# Altium PCB pcb-4layer-1oz-1.6mm.PcbDoc (part 4 of 4) (continued)
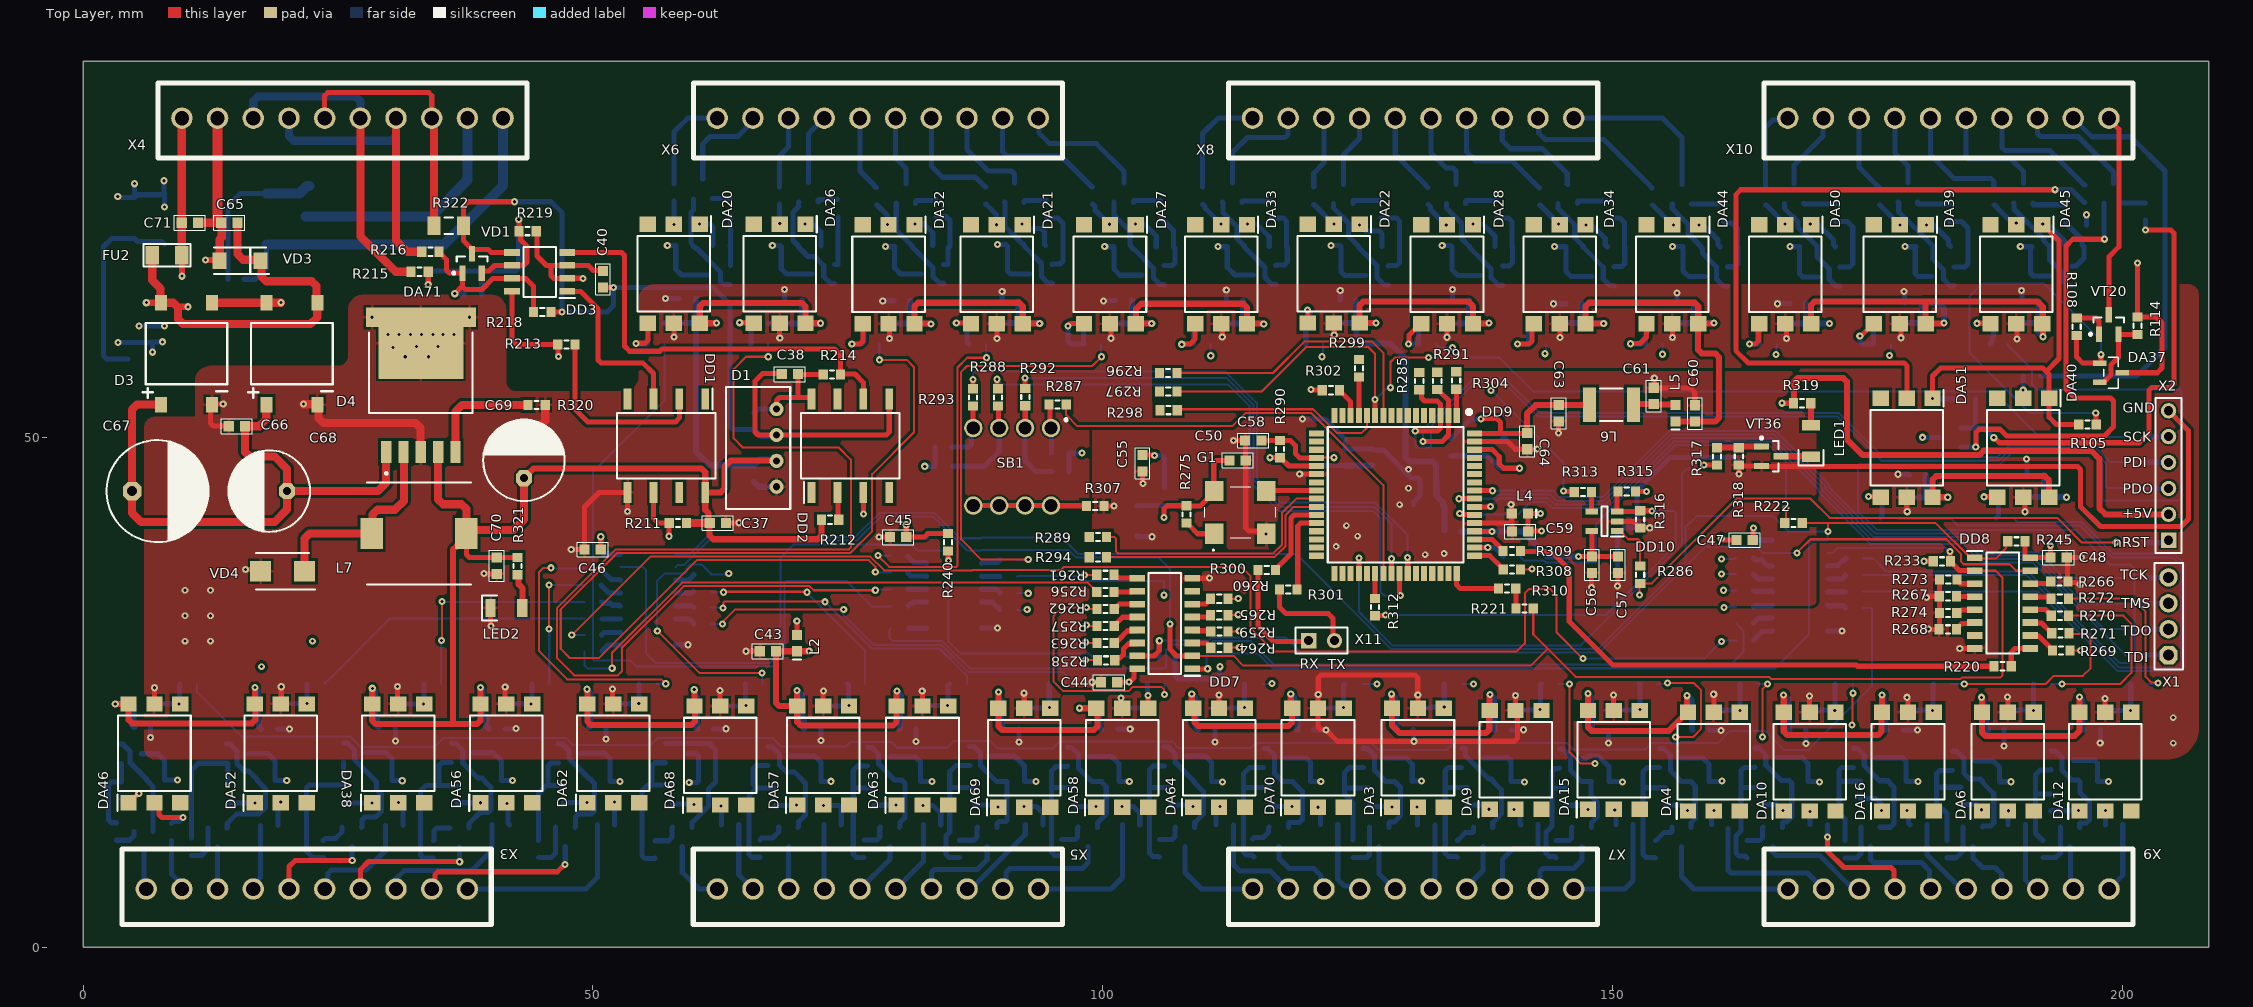
[diagram p0: Top Layer view]
## Nets (pads, with @x,y where several pads share a name; then routed paths per layer and width w, separated by ;. In a path a pad name is that pad's centre, name@x,y a point inside that pad or via, vN(x,y) a via of type N, cw(c..) or ccw(c..) an arc to the next point about the centre after c; other vN are vias at no path point) (continued)
NetR106_2: R106.2 VT18.1 | length 2.6
  Bottom Layer w0.5: R106.2@23.558,10.465 23.758,10.665 24.773,10.665 25.411,11.303 VT18.1@25.411,11.753
NetR107_2: R107.2 VT19.1 | length 3.3
  Bottom Layer w0.5: VT19.1@179.929,73.069 179.929,72.922 179.979,72.872 R107.2@183.057,72.872
NetR108_2: R108.2 VT20.1 | length 3.6
  Top Layer w0.5: R108.2@195.528,61.693 197.437,61.693 197.73,61.401 VT20.1@197.73,60.106
NetR118_2: R118.2 R247.2 | length 22.1
  Top Layer w0.2: v1(35.162,30.064) 35.181,30.083 35.181,33.881 v1(35.2,33.9)
  Bottom Layer w0.2: R118.2@35.121,25.806 35.121,30.023 v1(35.162,30.064) ; v1(35.2,33.9) 35.237,33.863 R247.2@49.161,33.863
NetR119_2: R119.2 R236.2 | length 37.6
  MID1 w0.2: v1(160.7,38.049) 160.796,38.145 161.075,38.145 162.53,39.6 176.083,39.6 176.586,40.103 176.586,57.432 v1(177.184,58.03)
  Bottom Layer w0.2: v1(160.7,38.049) 161.95,38.049 R236.2@162.114,38.213 ; v1(177.184,58.03) 177.312,58.158 R119.2@177.312,59.155
NetR120_2: R120.2 R243.2 | length 63.7
  Bottom Layer w0.2: R243.2@174.57,34.877 191.727,34.877 199.515,27.089 205.743,27.089 206.13,27.476 206.13,37.555 205.105,38.58 199.115,38.58 195.999,41.696 189.688,41.696 189.338,42.046 R120.2@189.338,42.096
NetR124_2: R124.2 VT21.1 | length 3.2
  Bottom Layer w0.5: VT21.1@157.767,72.884 157.778,72.872 R124.2@160.916,72.872
NetR125_2: R125.2 VT22.1 | length 3.4
  Bottom Layer w0.5: VT22.1@191.24,72.976 191.24,72.854 191.29,72.804 194.363,72.804 R125.2@194.423,72.744
NetR126_2: R126.2 VT23.1 | length 2.3
  Bottom Layer w0.5: R126.2@3.291,10.475 4.564,10.475 4.976,10.887 VT23.1@4.976,11.337
NetR136_2: R136.2 R235.2 | length 31
  MID1 w0.2: v1(154.919,58.144) 156.007,58.144 161.748,52.403 161.748,39.807 160.94,38.999 159.742,38.999 159.555,38.813 159.555,36.345 v1(160.9,35)
  Bottom Layer w0.2: v1(154.919,58.144) 154.919,59.115 R136.2@154.959,59.155 ; v1(160.9,35) 160.914,34.986 R235.2@162.126,34.986
NetR137_2: R137.2 R242.2 | length 140.6
  Bottom Layer w0.2: R242.2@174.575,38.136 175.564,38.136 176.876,36.824 190.77,36.824 199.724,27.87 200.87,27.87 201.2,28.2 201.2,37.1 200.8,37.5 198.8,37.5 195.386,40.914 175.919,40.914 174.074,42.759 174.074,47.283 174.191,47.4 176.205,47.4 176.255,47.35 188.052,47.35 189.18,48.478 196.897,48.478 198.055,47.32 198.055,43.937 198.173,43.82 205.52,43.82 205.8,44.1 205.8,54.583 205.683,54.7 191.6,54.7 191.15,55.15 191.15,56.678 188.723,59.105 R137.2@188.723,59.155
NetR138_2: R138.2 R238.2 | length 183.8
  Bottom Layer w0.2: R138.2@11.19,25.806 11.19,25.006 15.548,20.649 26.207,20.649 27.246,19.61 34.451,19.61 35.369,20.528 47.323,20.528 48.051,19.8 55.653,19.8 56.343,20.49 67.665,20.49 68.486,19.67 74.81,19.67 75.269,20.129 79.249,20.129 79.827,19.551 84.747,19.551 85.402,20.206 88.962,20.206 89.668,19.5 95.124,19.5 95.808,20.184 106.805,20.184 107.475,19.514 114.495,19.514 115.011,20.029 126.321,20.029 127.029,19.321 133.723,19.321 134.419,20.017 145.509,20.017 146.126,19.4 153.227,19.4 153.85,20.024 155.928,20.024 155.951,20 160.315,20 161.515,21.2 164.949,21.2 166.796,19.353 169.22,19.353 175.438,25.57 175.438,33.15 175.32,33.267 R238.2@174.57,33.267
NetR142_2: R142.2 VT24.1 | length 3.2
  Bottom Layer w0.5: VT24.1@168.758,72.926 168.758,72.922 168.808,72.872 R142.2@171.886,72.872
NetR143_2: R143.2 VT25.1 | length 2.2
  Bottom Layer w0.5: VT25.1@200.089,72.978 200.109,72.998 R143.2@202.292,72.998
NetR144_2: R144.2 VT26.1 | length 3.9
  Bottom Layer w0.5: R144.2@10.616,8.995 11.607,8.995 12.237,9.625 VT26.1@12.237,11.688
NetR154_2: R154.2 R241.2 | length 27.5
  MID1 w0.2: v1(160.7,36.6) 159.905,37.395 159.905,38.532 160.023,38.649 161.085,38.649 162.109,39.673 162.109,40.309 164.3,42.5 164.3,56.374 v1(166.033,58.108)
  Bottom Layer w0.2: v1(160.7,36.6) 160.703,36.597 R241.2@162.13,36.597 ; v1(166.033,58.108) 166.103,58.177 R154.2@166.103,59.155
NetR155_2: R155.2 R237.2 | length 74.6
  Bottom Layer w0.2: R237.2@174.565,36.502 176.703,36.502 176.731,36.474 190.625,36.474 199.66,27.439 205.598,27.439 205.78,27.621 205.78,37.41 204.993,38.197 199.003,38.197 195.854,41.346 183.854,41.346 183.209,41.991 178.076,41.991 R155.2@177.971,42.096
NetR156_2: R156.2 R252.2 | length 28.2
  Bottom Layer w0.2: R156.2@23.677,25.806 23.677,25.856 24.027,26.206 24.077,26.206 30.106,32.235 R252.2@49.168,32.235
NetR160_2: R160.2 VT27.1 | length 2.6
  Bottom Layer w0.5: R160.2@34.377,10.446 34.4,10.469 34.4,11.396 34.693,11.688 VT27.1@35.967,11.688
NetR161_2: R161.2 VT28.1 | length 2.6
  Bottom Layer w0.5: R161.2@66.373,10.509 66.556,10.692 67.623,10.692 68.235,11.303 VT28.1@68.235,11.753
NetR162_2: R162.2 VT29.1 | length 2.6
  Bottom Layer w0.5: R162.2@95.991,10.563 97.302,10.563 97.545,10.806 97.545,11.703 VT29.1@97.595,11.753
NetR172_2: R172.2 R249.2 | length 20.9
  Top Layer w0.2: v1(62.818,34.801) 62.867,34.85 70.95,34.85 v1(71,34.8)
  Bottom Layer w0.2: R249.2@61.582,34.923 61.704,34.801 v1(62.818,34.801) ; v1(71,34.8) 71,34.754 76.699,29.055 R172.2@76.699,25.806
NetR173_2: R173.2 R253.2 | length 13.1
  Top Layer w0.2: v1(45.693,35.508) 45.697,35.505 45.697,31.203 v1(45.7,31.2)
  Bottom Layer w0.2: v1(45.693,35.508) 49.116,35.508 R253.2@49.122,35.513 ; v1(45.7,31.2) 45.723,31.177 R173.2@45.723,25.806
NetR174_2: R174.2 R262.2 | length 24.1
  Top Layer w0.2: v1@98.394,33.3 96.017,33.3 95.2,32.483 95.2,26.045 96.145,25.1 102.549,25.1 102.965,25.516 105.75,25.516 106.027,25.24 106.027,24.807 v1(106.07,24.763) ; v1(98.4,33.3) 98.542,33.158 R262.2@99.436,33.158
  Bottom Layer w0.2: v1(106.07,24.763) R174.2@106.07,25.806
NetR178_2: R178.2 VT30.1 | length 4.4
  Bottom Layer w0.5: R178.2@44.668,8.782 45.907,8.782 46.338,9.213 VT30.1@46.338,11.753
NetR179_2: R179.2 VT31.1 | length 2.6
  Bottom Layer w0.5: R179.2@76.584,10.505 77.842,10.505 78.135,10.798 78.135,11.703 VT31.1@78.185,11.753
NetR180_2: R180.2 VT32.1 | length 2.6
  Bottom Layer w0.5: R180.2@105.56,10.546 106.792,10.546 107.085,10.839 107.085,11.703 VT32.1@107.135,11.753
NetR190_2: R190.2 R248.2 | length 27.1
  Top Layer w0.2: v1(45.9,37.2) 45.161,37.2 44.702,36.741 44.702,29.049 47.488,26.263 56.698,26.263 57.131,25.83 v1(57.15,25.83)
  Bottom Layer w0.2: v1(45.9,37.2) 45.965,37.135 R248.2@49.126,37.135 ; R190.2@56.22,25.806 56.244,25.83 v1(57.15,25.83)
NetR191_2: R191.2 R255.2 | length 29.5
  Top Layer w0.2: v1(62.773,33.256) 62.806,33.289 62.806,33.784 62.923,33.901 72.728,33.901 v1(72.765,33.865)
  Bottom Layer w0.2: R255.2@61.596,33.299 62.73,33.299 v1(62.773,33.256) ; v1(72.765,33.865) 77.343,29.286 83.998,29.286 86.285,27 86.678,26.606 R191.2@86.678,25.806
NetR192_2: R192.2 R257.2 | length 45.2
  Top Layer w0.2: v1(98.407,31.576) 98.48,31.503 R257.2@99.436,31.503
  MID1 w0.2: v1(98.407,31.576) 97.347,31.576 97.062,31.291 97.062,25.495 97.179,25.378 105.189,25.378 105.221,25.411 112.611,25.411 118.9,31.7 121.3,31.7 121.5,31.5 121.5,29 118.336,25.836 v1(116.592,25.836)
  Bottom Layer w0.2: R192.2@115.623,25.806 116.562,25.806 v1(116.592,25.836)
NetR196_2: R196.2 VT33.1 | length 2.8
  Bottom Layer w0.5: R196.2@56.113,10.427 57.427,10.427 57.766,10.766 57.766,11.703 VT33.1@57.816,11.753
NetR197_2: R197.2 VT34.1 | length 2.9
  Bottom Layer w0.5: R197.2@85.944,10.482 87.384,10.482 87.677,10.775 87.677,11.703 VT34.1@87.727,11.753
NetR198_2: R198.2 VT35.1 | length 2.4
  Bottom Layer w0.5: R198.2@114.712,10.588 114.863,10.738 115.753,10.738 116.268,11.253 116.268,11.703 VT35.1@116.318,11.753
NetR208_2: R208.2 R254.2 | length 26.4
  Top Layer w0.2: v1(56.32,31.016) 60.436,26.9 v1(66.6,26.9)
  Bottom Layer w0.2: v1(56.32,31.016) 56.285,31.051 56.285,35.885 57.049,36.649 59.046,36.649 59.197,36.8 59.197,37.149 59.57,37.522 60.667,37.522 61.597,36.591 R254.2@61.597,36.541 63.239,36.541 v1(63.325,36.626) ; v1(66.6,26.9) 66.644,26.856 R208.2@66.644,25.806
NetR209_2: R209.2 R250.2 | length 39.4
  Top Layer w0.2: v1(62.7,31.7) 62.7,31.835 62.876,32.011 62.876,32.043 63.932,33.1 v1(74.6,33.1)
  Bottom Layer w0.2: R250.2@61.587,31.699 62.699,31.699 v1(62.7,31.7) ; v1(74.6,33.1) 74.6,32.555 77.518,29.636 84.143,29.636 86.807,26.973 96.127,26.973 96.42,26.68 R209.2@96.42,25.806
NetR210_2: R210.2 R263.2 | length 45.9
  Top Layer w0.2: v1(98.3,29.9) 98.373,29.827 R263.2@99.438,29.827
  MID1 w0.2: v1(98.3,29.9) 101.75,33.35 107.305,33.35 109.03,35.075 109.03,36.082 111.139,38.19 123.943,38.19 126.607,35.527 126.607,26.093 v1(126.9,25.8)
  Bottom Layer w0.2: R210.2@125.413,25.806 125.419,25.8 v1(126.9,25.8)
NetR220_1: R220.1 R309.1 | length 54.1
  Top Layer w0.5: R309.1@140.978,38.86 141.043,38.795 144.005,38.795 145.76,37.04 145.76,31.935 150.044,27.65 173.911,27.65 174.014,27.547 R220.1@187.408,27.547
NetR221_1: R221.1 R310.1 | length 2
  Top Layer w0.5: R310.1@140.511,35.185 140.52,35.176 140.52,33.223 R221.1@140.529,33.214
NetR222_1: R222.1 R311.1 | length 40
  Top Layer w0.2: R222.1@166.906,41.588 167,41.682 v1(167,43)
  Bottom Layer w0.2: R311.1@140.978,38.296 140.978,38.246 141.328,37.896 143.286,37.896 143.482,37.7 148.283,37.7 148.4,37.817 148.4,41.504 156.134,49.239 165.369,49.239 167,47.608 v1(167,43)
NetR226_2: R226.2 R234.2 | length 92.6
  Bottom Layer w0.2: R226.2@79.244,31.256 79.1,31.113 79.1,30.3 79.4,30 84.275,30 86.952,27.323 106.083,27.323 106.2,27.44 106.2,29.1 106.8,29.7 110.5,29.7 110.8,30 114.5,30 116.8,27.7 161.6,27.7 162.849,28.949 162.849,30.99 162.143,31.697 R234.2@162.143,31.747
NetR228_1: R228.1 R308.1 | length 71.3
  Top Layer w0.2: R308.1@140.986,37.022 142.022,37.022 v1(142.1,37.1)
  MID1 w0.2: v1(111.5,27.5) 111.5,33.249 115.651,37.4 123.744,37.4 125.907,35.237 125.907,23.998 127.298,22.607 137.707,22.607 138.866,23.766 138.866,33.866 v1(142.1,37.1)
  Bottom Layer w0.5: R228.1@107.104,28.511 107.104,26.593 107.397,26.3 111.169,26.3 111.462,26.593 111.462,27.462 v1(111.5,27.5)
NetR239_2: R239.2 R246.2 | length 136.8
  Top Layer w0.2: v1(47.928,30.597) 47.939,30.597 55.643,38.301 77.216,38.301 78.567,36.95 87.209,36.95 87.235,36.976 95.877,36.976 96.162,37.26 113.615,37.26 114.513,36.363 114.513,31.284 116.791,29.006 140.606,29.006 141.4,29.8 141.4,34.7 141.8,35.1 143.903,35.1 144.5,34.503 144.5,30.9 v1(147.1,28.3)
  Bottom Layer w0.2: v1(47.928,30.597) 49.15,30.597 R246.2@49.172,30.62 ; v1(147.1,28.3) 159.013,28.3 v1(160.683,29.97) 160.775,30.062 R239.2@162.149,30.062
NetR251_2: R251.2 R256.2 | length 56.5
  Top Layer w0.2: v1(51.897,27.346) 51.897,28.894 58.753,35.751 98.549,35.751 99.416,34.884 R256.2@99.416,34.834
  Bottom Layer w0.2: R251.2@49.184,29.008 49.184,27.616 49.454,27.346 v1(51.897,27.346)
NetR261_2: R261.2 R269.2 | length 124.1
  Top Layer w0.2: v1(98.235,36.501) 98.244,36.51 R261.2@99.416,36.51 ; R269.2@194.859,29.078 195.881,29.078 v1(195.903,29.1)
  MID1 w0.2: v1(98.235,36.501) 100.73,38.996 112.44,38.996 115.355,41.912 148.232,41.912 151.1,39.043 151.1,31.2 156,26.3 156,24 157.5,22.5 196.783,22.5 196.9,22.617 196.9,28.104 v1(195.903,29.1)
NetR277_2: R277.2 X1.3 | length 2.6
  Bottom Layer w0.5: R277.2@201.977,33.719 X1.3@204.541,33.719
NetR278_2: R278.2 X1.1 | length 2.6
  Bottom Layer w0.5: R278.2@201.977,28.62 201.987,28.63 204.532,28.63 X1.1@204.541,28.639
NetR279_2: R279.2 X1.2 | length 2.6
  Bottom Layer w0.5: R279.2@201.977,31.193 201.984,31.186 204.534,31.186 X1.2@204.541,31.179
NetR280_2: R280.2 X1.4 | length 2.6
  Bottom Layer w0.5: R280.2@201.977,36.189 202.012,36.224 204.506,36.224 X1.4@204.541,36.259
NetR281_2: R281.2 X2.3 | length 2.3
  Bottom Layer w0.5: R281.2@202.244,45.01 202.257,44.997 204.533,44.997 X2.3@204.546,44.984
NetR282_2: R282.2 X2.5 | length 2.3
  Bottom Layer w0.5: R282.2@202.244,50.046 202.253,50.055 204.537,50.055 X2.5@204.546,50.064
NetR283_2: R283.2 X2.1 | length 2.4
  Bottom Layer w0.5: R283.2@202.244,39.654 204.296,39.654 X2.1@204.546,39.904
NetR284_2: R284.2 X2.4 | length 2.3
  Bottom Layer w0.5: R284.2@202.244,47.584 202.274,47.554 204.516,47.554 X2.4@204.546,47.524
NetR285_2: R285.2
NetR287_1: R287.1 R306.2 SB1.1 | length 4.9
  Top Layer w0.5: R287.1@94.721,53.226 94.826,53.12 94.826,51.025 SB1.1@94.932,50.92
  Bottom Layer w0.5: SB1.1@94.932,50.92 94.962,50.89 94.962,48.49 R306.2@94.992,48.46
NetR288_1: R288.1 R303.2 SB1.3 | length 9.7
  Top Layer w0.5: R288.1@89.725,53.058 89.788,52.994 89.788,50.984 SB1.3@89.852,50.92
  Bottom Layer w0.5: R303.2@85.267,47.157 88.407,47.157 89.852,48.602 SB1.3@89.852,50.92
NetR291_2: R291.2
NetR292_1: R292.1 R305.2 SB1.2 | length 8.4
  Top Layer w0.5: SB1.2@92.392,50.92 92.404,50.931 92.404,53.078 R292.1@92.415,53.09
  Bottom Layer w0.5: SB1.2@92.392,50.92 92.392,47.708 93.444,46.656 R305.2@95.007,46.656
NetR293_1: R293.1 R295.2 SB1.4 | length 5.8
  Top Layer w0.5: R293.1@87.274,53.065 87.293,53.046 87.293,50.939 SB1.4@87.312,50.92
  Bottom Layer w0.5: R295.2@85.247,49.051 86.851,49.051 87.144,49.344 87.144,50.751 SB1.4@87.312,50.92
NetR307_2: R307.2 SB1.5 SB1.6 SB1.7 SB1.8 | length 11.1
  Top Layer w0.5: SB1.5@87.312,43.3 SB1.6@89.852,43.3 SB1.7@92.392,43.3 SB1.8@94.932,43.3 94.949,43.283 98.41,43.283 R307.2@98.426,43.267
NetR317_2: R317.2 R318.2 VT36.1 | length 4.4
  Top Layer w0.6: R317.2@160.252,48.982 R318.2@162.392,48.982 162.5,49.091 VT36.1@164.62,49.091
nPL_to_MCU: DD4.1 DD5.1 DD6.1 DD7.1 DD8.1 R222.2 R245.1 | length 227.5
  Top Layer w0.2: R222.2@168.606,41.588 171.1,41.588 ; v1(171.121,40.774) 171.121,41.566 171.1,41.588 ; R245.1@188.762,39.797 188.597,39.632 188.597,39.114 187.583,38.1 185.629,38.1 DD8.1@185.55,38.18 185.112,38.18 181.704,41.588 171.1,41.588
  Top Layer w0.5: DD7.1@108.805,27.29 110.29,27.29 v1(110.3,27.3)
  Bottom Layer w0.2: DD6.1@58.114,38.533 59.527,38.533 61.226,40.232 75.732,40.232 78.07,42.57 83.525,42.57 85.996,40.1 88.056,40.1 DD4.1@88.133,40.177 96,40.177 97.623,38.555 118.969,38.555 128.274,29.25 148.599,29.25 157.157,37.809 157.157,41.157 158.3,42.3 165.7,42.3 167.226,40.774 v1(171.121,40.774) 171.106,40.759 DD5.1@171.106,39.904 169.604,39.904 169.258,39.558 169.258,30.658 165.95,27.35 116.655,27.35 115.205,28.8 110.314,28.8 110.197,28.683 110.197,27.667 110.204,27.659 110.204,27.396 v1(110.3,27.3)
nRESET: C58.1 DD9.20 R283.1 R286.2 R290.1 | length 110.2
  Top Layer w0.2: DD9.20@120.975,47.982 120.993,48 v1(122.7,48) ; v1(152.655,34.515) 152.655,35.606 R286.2@152.718,35.669 153.862,35.669 162.194,44 169.4,44 171.304,42.096 193.604,42.096 196,39.7 v1(199.4,39.7)
  Top Layer w0.5: C58.1@115.573,49.683 115.58,49.69 117.393,49.69 R290.1@117.4,49.697 118.403,49.697 118.9,49.2 118.9,48.4 119.321,47.979 DD9.20@120.972,47.979
  MID1 w0.2: v1(122.7,48) 122.7,49.2 125.9,52.4 147.9,52.4 152.655,47.645 v1(152.655,34.515)
  Bottom Layer w0.2: v1(199.4,39.7) 200.498,39.7 R283.1@200.544,39.654
OUT_BITs: DD8.9 R220.2 | length 3.4
  Top Layer w0.5: R220.2@189.108,27.547 189.108,28.908 189.49,29.29 DD8.9@190.974,29.29
PDI: DD9.2 R284.1 R291.1 | length 84.4
  Top Layer w0.5: v1(131.4,49.6) 133.312,49.6 133.925,50.213 DD9.2@133.925,52.132 133.925,53.632 133.571,53.985 133.555,53.985 R291.1@132.868,54.671
  Bottom Layer w0.2: v1(131.4,49.6) 131.4,50.754 136.463,55.817 139.378,55.817 142.8,52.395 172.205,52.395 176.55,48.05 187.75,48.05 188.878,49.178 197.187,49.178 198.781,47.584 R284.1@200.544,47.584
PDO: DD9.3 R281.1 R285.1 | length 89.8
  Top Layer w0.5: v1(130.66,50.602) 130.662,50.6 132.832,50.6 133.125,50.893 DD9.3@133.125,52.132 ; R285.1@131.051,54.659 131.066,54.659 131.266,54.459 131.266,53.863 131.558,53.57 132.824,53.57 133.117,53.277 DD9.3@133.117,52.139
  Bottom Layer w0.2: v1(130.66,50.602) 130.66,49.14 130.8,49 132.096,49 132.213,49.117 132.213,51.072 136.589,55.447 139.253,55.447 142.655,52.045 172.055,52.045 176.4,47.7 187.895,47.7 189.023,48.828 197.042,48.828 198.405,47.465 198.405,45.127 198.523,45.01 R281.1@200.544,45.01
RS485_A: DD3.6 R215.2 R217.1 R219.1 VD1.2 | length 27.9
  Top Layer w0.5: v1(33.851,64.985) 33.859,64.993 R215.2@33.859,66.234 ; VD1.2@39.08,66.12 VD1.2@39.101,66.099 39.101,66.25 39.151,66.3 39.8,66.3 40.356,66.856 DD3.6@42.067,66.856 ; DD3.6@42.081,66.87 43.248,66.87 43.541,67.163 43.541,68.743 42.923,69.361 42.923,70.047 R219.1@42.752,70.217 42.752,71.331 v1(42.731,71.352)
  Bottom Layer w0.5: v1(33.851,64.985) 33.885,65.02 33.885,66.01 34.178,66.303 39.106,66.303 ; R217.1@39.106,64.06 39.106,66.303 ; v1(42.731,71.352) 42.731,66.596 42.439,66.303 39.106,66.303
RS485_B: DD3.7 R216.2 R217.2 R218.2 VD1.1 | length 17.5
  Top Layer w0.5: R216.2@34.924,68.196 34.924,68.146 35.628,67.442 35.628,66.392 35.921,66.099 VD1.1@37.201,66.099 37.201,64.801 ; v1(36.456,64.083) 37.173,64.801 37.201,64.801 ; R218.2@44.184,62.287 44.184,64.816 43.414,65.586 DD3.7@42.067,65.586 42.052,65.572 40.189,65.572 39.125,64.508 37.493,64.508 37.201,64.801
  Bottom Layer w0.5: v1(36.456,64.083) 37.317,64.083 R217.2@37.373,64.027
RXD: DD1.6 R211.1 R300.2 X11.1 | length 99
  Top Layer w0.5: DD1.6@55.942,44.598 55.942,42.058 56.413,41.587 R211.1@57.495,41.587 57.485,41.577 57.485,40.307 v1(57.474,40.297) ; R300.2@115.238,36.994 115.238,31.462 116.732,29.968 120.11,29.968 X11.1@120.198,30.056
  MID1 w0.5: v1(57.474,40.297) 58.083,39.688 58.083,23.917 59.319,22.681 111.281,22.681 118.656,30.056 X11.1@120.198,30.056
SCK: DD9.11 R282.1 R297.2 | length 107.8
  Top Layer w0.2: R297.2@107.278,54.49 115.59,54.49 119.953,58.853 126.044,58.853 126.725,58.173 v1(126.725,53.7) ; v1(128.232,54.863) 128.232,57.385 128.659,57.812 v1(131.946,57.812)
  Top Layer w0.5: DD9.11@126.725,52.132 v1(126.725,53.7)
  Bottom Layer w0.2: v1(126.725,53.7) 127.792,54.767 128.136,54.767 v1(128.232,54.863) ; v1(131.946,57.812) 138.896,57.812 142.211,54.497 187.403,54.497 191.854,50.046 R282.1@200.544,50.046
SCL: DD9.25 R289.2 | length 26
  Top Layer w0.2: R289.2@100.383,40.207 101.183,40.207 101.3,40.09 101.3,38.841 101.549,38.592 116.7,38.592 117.59,39.481 117.59,42.581 118.99,43.982 DD9.25@120.975,43.982
SDA: DD9.26 R294.2 | length 24.4
  Top Layer w0.2: R294.2@100.391,38.242 116.845,38.242 117.94,39.336 117.94,42.381 118.727,43.169 DD9.26@120.962,43.169
TCK: DD9.57 R280.1 | length 72.9
  Top Layer w0.5: DD9.57@136.475,44.782 138.213,44.782 v1(138.238,44.757)
  Bottom Layer w0.2: v1(138.238,44.757) 144.194,44.757 144.828,44.124 149.039,44.124 155.555,50.64 165.948,50.64 171.26,45.327 171.26,45.078 175.774,40.564 184.943,40.564 186.743,38.764 191.756,38.764 194.331,36.189 R280.1@200.277,36.189
TDI: DD9.54 R278.1 | length 79.1
  Top Layer w0.5: v1(135.023,42.512) 135.077,42.512 135.158,42.432 136.425,42.432 DD9.54@136.475,42.382
  Bottom Layer w0.2: v1(135.023,42.512) 135.115,42.42 140.72,42.42 141.973,43.673 143.475,43.673 144.075,43.074 149.474,43.074 155.99,49.59 165.513,49.59 170.21,44.893 170.21,44.643 175.339,39.514 184.386,39.514 186.186,37.714 191.233,37.714 200.277,28.67 R278.1@200.277,28.62
TDO: DD9.55 R279.1 | length 75
  Top Layer w0.5: DD9.55@136.475,43.182 138.026,43.182 v1(138.048,43.203)
  Bottom Layer w0.2: v1(138.048,43.203) 138.08,43.203 138.9,44.023 143.699,44.023 144.298,43.424 149.329,43.424 155.845,49.94 165.658,49.94 170.56,45.037 170.56,44.788 175.484,39.864 184.536,39.864 186.336,38.064 191.378,38.064 198.249,31.193 R279.1@200.277,31.193
TMS: DD9.56 R277.1 | length 77
  Top Layer w0.5: v1(134.94,43.974) 134.948,43.982 DD9.56@136.475,43.982
  Bottom Layer w0.2: v1(134.94,43.974) 138.356,43.974 138.755,44.373 143.913,44.373 144.513,43.774 149.184,43.774 155.7,50.29 165.803,50.29 170.91,45.182 170.91,44.933 175.629,40.214 184.786,40.214 186.586,38.414 191.523,38.414 196.219,33.719 R277.1@200.277,33.719
TXD: DD2.3 R301.2 X11.2 | length 128.1
  Top Layer w0.5: v1(76.526,42.471) 76.528,42.474 DD2.3@76.528,44.598 ; R301.2@117.346,35.068 117.346,33.338 117.984,32.7 122.12,32.7 122.6,32.22 122.6,30.194 X11.2@122.738,30.056
  MID1 w0.5: v1(76.526,42.471) 75.697,43.3 56.6,43.3 55.57,42.27 55.57,21.23 57.45,19.35 114.027,19.35 122.738,28.061 X11.2@122.738,30.056
WatchDog_!EN: DD9.38 R312.2 | length 2.4
  Top Layer w0.5: R312.2@126.704,34.195 126.714,34.205 126.714,36.621 DD9.38@126.725,36.632
WatchDog_Input: R302.2 R313.2 | length 33.1
  Top Layer w0.5: v1(120.416,54.678) 120.446,54.648 121.512,54.648 R302.2@121.542,54.618 ; v1(145.2,44.724) 145.238,44.685 146.198,44.685 R313.2@146.251,44.632
  MID2 w0.2: v1(120.416,54.678) 126.595,54.678 127.121,54.152 137.629,54.152 138.077,54.6 v1(138.1,54.6)
  Bottom Layer w0.2: v1(138.1,54.6) 145.2,47.5 v1(145.2,44.724)
WatchDog_Out: DD10.1 R286.1 | length 5.1
  Top Layer w0.2: DD10.1@150.458,40.809 150.758,40.809 151.567,40 152.5,40 152.718,39.782 R286.1@152.718,37.369
XTAL1: DD9.24 G1.3 | length 5
  Top Layer w0.5: G1.3@116.039,44.735 116.085,44.782 DD9.24@120.975,44.782
pads on no net: D1. DA3.3 DA4.3 DA6.3 DA9.3 DA10.3 DA12.3 DA15.3 DA16.3 DA20.3 DA21.3 DA22.3 DA26.3 DA27.3 DA28.3 DA32.3 DA33.3 DA34.3 DA38.3 DA39.3 DA40.3 DA44.3 DA45.3 DA46.3 DA50.3 DA51.3 DA52.3 DA56.3 DA57.3 DA58.3 DA62.3 DA63.3 DA64.3 DA68.3 DA69.3 DA70.3 DD1.1 DD1.4 DD1.7 DD2.1 DD2.4 DD2.7 DD4.7 DD4.10 DD5.7 DD6.7 DD7.7 DD8.7 DD9.4 DD9.5 DD9.6 DD9.7 DD9.8 DD9.9 DD9.15 DD9.16 DD9.17 DD9.18 DD9.19 DD9.23 DD9.29 DD9.30 DD9.31 DD9.32 DD9.33 DD9.34 DD9.35 DD9.37 DD9.43 DD9.44 DD9.45 DD9.46 DD9.47 DD9.58 DD9.59 DD9.60 DD9.61 R289.1 R294.1 R296.1 R297.1 R298.1 R299.1 R304.1 X3. X4. X5. X6. X7. X8. X9. X10.
copper on no net:
  other v3: 17.5,27.5 22.5,30

## Polygon pours and split planes (outlines as drawn)
GND_INPUTS on MID1 "GND_INPUTS_L02_P002" (solid, pour order 2): 1,76 1,14 ccw(c3.6,14) 3.6,11.4 203.9,11.4 ccw(c203.9,15) 207.5,15 207.5,72.5 ccw(c202.6,72.5) 202.6,77.4 2.4,77.4 ccw(c2.4,76)
GND on MID1 "GND_L02_P001" (solid, remove dead copper, pour order 1): 7,52 11,52 11,55.5 cw(c12.5,55.5) 12.5,57 25,57 ccw(c25,58) 26,58 26,62.5 cw(c27.5,62.5) 27.5,64 40,64 cw(c40,62.5) 41.5,62.5 41.5,55.5 ccw(c42.5,55.5) 42.5,54.5 53,54.5 ccw(c53,56) 54.5,56 54.5,63.5 cw(c56,63.5) 56,65 206.5,65 cw(c206.5,64) 207.5,64 207.5,21.5 cw(c204.4,21.5) 204.4,18.4 7.1,18.4 cw(c7.1,19.5) 6,19.5 6,51 cw(c7,51)
GND_MCU on MID1 "GND_MCU_L02_P000" (solid, remove dead copper, pour order 0): 99.5,56.5 169.5,56.5 cw(c169.5,56) 170,56 170,34 cw(c169.5,34) 169.5,33.5 99.5,33.5 cw(c99.5,34) 99,34 99,56 cw(c99.5,56)
+12V_INPUTS on MID2 "+12V_INPUTS_L03_P006" (solid, remove dead copper, pour order 6): 1,76.9 1,9.5 ccw(c1.5,9.5) 1.5,9 5,9 206.1,9 ccw(c206.1,10.3) 207.4,10.3 207.4,76.4 ccw(c206.3,76.4) 206.3,77.5 1.6,77.5 ccw(c1.6,76.9)
+5 on MID2 "+5_L03_P005" (solid, remove dead copper, pour order 5): 10.3,16 200,16 ccw(c200,16.5) 200.5,16.5 200.5,64 ccw(c200,64) 200,64.5 9.5,64.5 ccw(c9.5,63.5) 8.5,63.5 8.5,17.8 ccw(c10.3,17.8)
+5_L on MID2 "+5_L_L03_P004" (solid, remove dead copper, pour order 4): 48.5,42.5 48.5,29.5 ccw(c50,29.5) 50,28 82,28 cw(c82,27) 83,27 83,26.5 ccw(c83.5,26.5) 83.5,26 99,26 99,25.5 193,25.5 ccw(c193,26.5) 194,26.5 194,39 ccw(c193,39) 193,40 167.5,40 cw(c167.5,40.5) 167,40.5 167,42.5 ccw(c166.5,42.5) 166.5,43 163,43 ccw(c163,42.5) 162.5,42.5 162.5,34 cw(c162,34) 162,33.5 103,33.5 cw(c103,37) 99.5,37 99.5,43 ccw(c98.5,43) 98.5,44 50,44 ccw(c50,42.5)
+5_MCU on MID2 "+5_MCU_L03_P003" (solid, remove dead copper, pour order 3): 81,57 81,45.5 ccw(c81.5,45.5) 81.5,45 122.5,45 cw(c122.5,44) 123.5,44 123.5,35 ccw(c124.5,35) 124.5,34 161,34 ccw(c161,35) 162,35 162,44.5 cw(c163,44.5) 163,45.5 168.5,45.5 ccw(c168.5,46.5) 169.5,46.5 169.5,56.5 ccw(c168.5,56.5) 168.5,57.5 81.5,57.5 ccw(c81.5,57)
GND on Top Layer "GND_L01_P008" (solid, remove dead copper, pour order 8): 7,52 11,52 11,55.5 cw(c12.5,55.5) 12.5,57 25,57 ccw(c25,58) 26,58 26,62.5 cw(c27.5,62.5) 27.5,64 40,64 cw(c40,62.5) 41.5,62.5 41.5,55.5 ccw(c42.5,55.5) 42.5,54.5 53,54.5 ccw(c53,56) 54.5,56 54.5,63.5 cw(c56,63.5) 56,65 206.5,65 cw(c206.5,64) 207.5,64 207.5,21.5 cw(c204.4,21.5) 204.4,18.4 7.1,18.4 cw(c7.1,19.5) 6,19.5 6,51 cw(c7,51)
GND_MCU on Top Layer "GND_MCU_L01_P007" (solid, remove dead copper, pour order 7): 99.5,56.5 169.5,56.5 cw(c169.5,56) 170,56 170,34 cw(c169.5,34) 169.5,33.5 99.5,33.5 cw(c99.5,34) 99,34 99,56 cw(c99.5,56)
GND on Bottom Layer "GND_L04_P010" (solid, remove dead copper, pour order 10): 7,52 11,52 11,55.5 cw(c12.5,55.5) 12.5,57 25,57 ccw(c25,58) 26,58 26,62.5 cw(c27.5,62.5) 27.5,64 40,64 cw(c40,62.5) 41.5,62.5 41.5,55.5 ccw(c42.5,55.5) 42.5,54.5 53,54.5 ccw(c53,56) 54.5,56 54.5,63.5 cw(c56,63.5) 56,65 206.5,65 cw(c206.5,64) 207.5,64 207.5,21.5 cw(c204.4,21.5) 204.4,18.4 7.1,18.4 cw(c7.1,19.5) 6,19.5 6,51 cw(c7,51)
GND_MCU on Bottom Layer "GND_MCU_L04_P009" (solid, remove dead copper, pour order 9): 99.5,56.5 169.5,56.5 cw(c169.5,56) 170,56 170,34 cw(c169.5,34) 169.5,33.5 99.5,33.5 cw(c99.5,34) 99,34 99,56 cw(c99.5,56)

## Silkscreen, mask and mechanical layers (free items; w line width, h text height)
Top Overlay:
  text "GND" at 200.069,52.385 h1
  text "SCK" at 200.096,49.564 h1
  text "PDI" at 200.099,47.06 h1
  text "PDO" at 200.025,44.479 h1
  text "+5V" at 199.985,42.08 h1
  text "nRST" at 199.103,39.192 h1
  text "TCK" at 199.782,36.007 h1
  text "TMS" at 199.914,33.219 h1
  text "TDO" at 199.897,30.534 h1
  text "TDI" at 200.233,27.947 h1
  text "RX" at 119.353,27.276 h1
  text "TX" at 122.057,27.235 h1
Border:
  the board outline again, w0.2
Size:
  lines w0.254: 0,0 0,18.05 208.5,18.05 208.5,0 ; 0,2 208.5,2 ; 0,66.85 208.5,66.85 208.5,84.9 0,84.9 0,66.85